# EAGLE board Mk4 Final Panel 8up 4x2 (EAGLE 9.0.1), part 5 of 23 (continued)
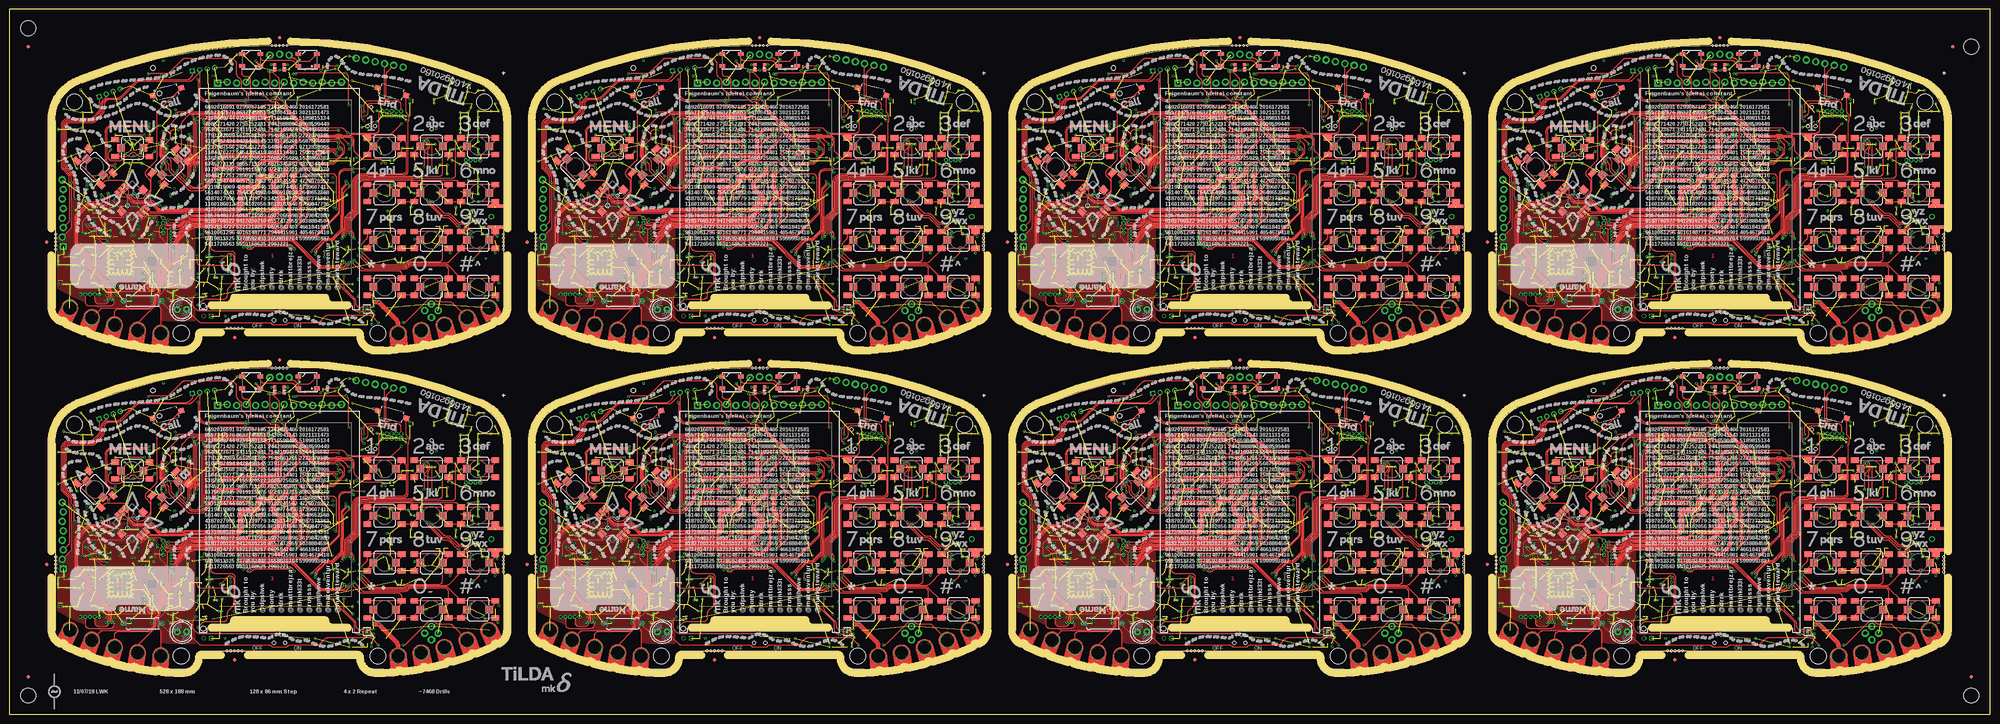
[diagram p0: board, top side]
## Nets (continued)
SDRAM_!CAS7: IC127.17 IC128.83
SDRAM_!CS: IC1.103 IC2.19
SDRAM_!CS1: IC19.19 IC20.103
SDRAM_!CS2: IC37.19 IC38.103
SDRAM_!CS3: IC55.19 IC56.103
SDRAM_!CS4: IC73.19 IC74.103
SDRAM_!CS5: IC91.19 IC92.103
SDRAM_!CS6: IC109.19 IC110.103
SDRAM_!CS7: IC127.19 IC128.103
SDRAM_!RAS: IC1.84 IC2.18
SDRAM_!RAS1: IC19.18 IC20.84
SDRAM_!RAS2: IC37.18 IC38.84
SDRAM_!RAS3: IC55.18 IC56.84
SDRAM_!RAS4: IC73.18 IC74.84
SDRAM_!RAS5: IC91.18 IC92.84
SDRAM_!RAS6: IC109.18 IC110.84
SDRAM_!RAS7: IC127.18 IC128.84
SDRAM_!WE: IC1.92 IC2.16
SDRAM_!WE1: IC19.16 IC20.92
SDRAM_!WE2: IC37.16 IC38.92
SDRAM_!WE3: IC55.16 IC56.92
SDRAM_!WE4: IC73.16 IC74.92
SDRAM_!WE5: IC91.16 IC92.92
SDRAM_!WE6: IC109.16 IC110.92
SDRAM_!WE7: IC127.16 IC128.92
SDRAM_A0: IC1.29 IC2.2 IC2.23
SDRAM_A1: IC1.30 IC2.4 IC2.24
SDRAM_A2: IC1.31 IC2.5 IC2.25
SDRAM_A3: IC1.32 IC2.7 IC2.26
SDRAM_A4: IC1.22 IC2.8 IC2.29
SDRAM_A5: IC1.23 IC2.10 IC2.30
SDRAM_A6: IC1.24 IC2.11 IC2.31
SDRAM_A7: IC1.25 IC2.13 IC2.32
SDRAM_A8: IC1.40 IC2.33 IC2.42
SDRAM_A9: IC1.41 IC2.34 IC2.44
SDRAM_A10: IC1.50 IC2.22 IC2.45
SDRAM_A11: IC1.49 IC2.35 IC2.47
SDRAM_A12: IC1.75 IC2.36 IC2.48
SDRAM_A13: IC19.2 IC19.23 IC20.29
SDRAM_A14: IC19.4 IC19.24 IC20.30
SDRAM_A15: IC19.5 IC19.25 IC20.31
SDRAM_A16: IC19.7 IC19.26 IC20.32
SDRAM_A17: IC19.8 IC19.29 IC20.22
SDRAM_A18: IC19.10 IC19.30 IC20.23
SDRAM_A19: IC19.11 IC19.31 IC20.24
SDRAM_A20: IC19.13 IC19.32 IC20.25
SDRAM_A21: IC19.33 IC19.42 IC20.40
SDRAM_A22: IC19.34 IC19.44 IC20.41
SDRAM_A23: IC19.22 IC19.45 IC20.50
SDRAM_A24: IC19.36 IC19.48 IC20.75
SDRAM_A25: IC19.35 IC19.47 IC20.49
SDRAM_A26: IC37.2 IC37.23 IC38.29
SDRAM_A27: IC37.4 IC37.24 IC38.30
SDRAM_A28: IC37.5 IC37.25 IC38.31
SDRAM_A29: IC37.7 IC37.26 IC38.32
SDRAM_A30: IC37.8 IC37.29 IC38.22
SDRAM_A31: IC37.10 IC37.30 IC38.23
SDRAM_A32: IC37.11 IC37.31 IC38.24
SDRAM_A33: IC37.13 IC37.32 IC38.25
SDRAM_A34: IC37.33 IC37.42 IC38.40
SDRAM_A35: IC37.34 IC37.44 IC38.41
SDRAM_A36: IC37.22 IC37.45 IC38.50
SDRAM_A37: IC37.36 IC37.48 IC38.75
SDRAM_A38: IC37.35 IC37.47 IC38.49
SDRAM_A39: IC55.2 IC55.23 IC56.29
SDRAM_A40: IC55.4 IC55.24 IC56.30
SDRAM_A41: IC55.5 IC55.25 IC56.31
SDRAM_A42: IC55.7 IC55.26 IC56.32
SDRAM_A43: IC55.8 IC55.29 IC56.22
SDRAM_A44: IC55.10 IC55.30 IC56.23
SDRAM_A45: IC55.11 IC55.31 IC56.24
SDRAM_A46: IC55.13 IC55.32 IC56.25
SDRAM_A47: IC55.33 IC55.42 IC56.40
SDRAM_A48: IC55.34 IC55.44 IC56.41
SDRAM_A49: IC55.22 IC55.45 IC56.50
SDRAM_A50: IC55.36 IC55.48 IC56.75
SDRAM_A51: IC55.35 IC55.47 IC56.49
SDRAM_A52: IC73.2 IC73.23 IC74.29
SDRAM_A53: IC73.4 IC73.24 IC74.30
SDRAM_A54: IC73.5 IC73.25 IC74.31
SDRAM_A55: IC73.7 IC73.26 IC74.32
SDRAM_A56: IC73.8 IC73.29 IC74.22
SDRAM_A57: IC73.10 IC73.30 IC74.23
SDRAM_A58: IC73.11 IC73.31 IC74.24
SDRAM_A59: IC73.13 IC73.32 IC74.25
SDRAM_A60: IC73.33 IC73.42 IC74.40
SDRAM_A61: IC73.34 IC73.44 IC74.41
SDRAM_A62: IC73.22 IC73.45 IC74.50
SDRAM_A63: IC73.36 IC73.48 IC74.75
SDRAM_A64: IC73.35 IC73.47 IC74.49
SDRAM_A65: IC91.2 IC91.23 IC92.29
SDRAM_A66: IC91.4 IC91.24 IC92.30
SDRAM_A67: IC91.5 IC91.25 IC92.31
SDRAM_A68: IC91.7 IC91.26 IC92.32
SDRAM_A69: IC91.8 IC91.29 IC92.22
SDRAM_A70: IC91.10 IC91.30 IC92.23
SDRAM_A71: IC91.11 IC91.31 IC92.24
SDRAM_A72: IC91.13 IC91.32 IC92.25
SDRAM_A73: IC91.33 IC91.42 IC92.40
SDRAM_A74: IC91.34 IC91.44 IC92.41
SDRAM_A75: IC91.22 IC91.45 IC92.50
SDRAM_A76: IC91.36 IC91.48 IC92.75
SDRAM_A77: IC91.35 IC91.47 IC92.49
SDRAM_A78: IC109.2 IC109.23 IC110.29
SDRAM_A79: IC109.4 IC109.24 IC110.30
SDRAM_A80: IC109.5 IC109.25 IC110.31
SDRAM_A81: IC109.7 IC109.26 IC110.32
SDRAM_A82: IC109.8 IC109.29 IC110.22
SDRAM_A83: IC109.10 IC109.30 IC110.23
SDRAM_A84: IC109.11 IC109.31 IC110.24
SDRAM_A85: IC109.13 IC109.32 IC110.25
SDRAM_A86: IC109.33 IC109.42 IC110.40
SDRAM_A87: IC109.34 IC109.44 IC110.41
SDRAM_A88: IC109.22 IC109.45 IC110.50
SDRAM_A89: IC109.36 IC109.48 IC110.75
SDRAM_A90: IC109.35 IC109.47 IC110.49
SDRAM_A91: IC127.2 IC127.23 IC128.29
SDRAM_A92: IC127.4 IC127.24 IC128.30
SDRAM_A93: IC127.5 IC127.25 IC128.31
SDRAM_A94: IC127.7 IC127.26 IC128.32
SDRAM_A95: IC127.8 IC127.29 IC128.22
SDRAM_A96: IC127.10 IC127.30 IC128.23
SDRAM_A97: IC127.11 IC127.31 IC128.24
SDRAM_A98: IC127.13 IC127.32 IC128.25
SDRAM_A99: IC127.33 IC127.42 IC128.40
SDRAM_A100: IC127.34 IC127.44 IC128.41
SDRAM_A101: IC127.22 IC127.45 IC128.50
SDRAM_A102: IC127.36 IC127.48 IC128.75
SDRAM_A103: IC127.35 IC127.47 IC128.49
SDRAM_BA0: IC1.76 IC2.20 IC2.50
SDRAM_BA1: IC1.77 IC2.21 IC2.51
SDRAM_BA2: IC19.21 IC19.51 IC20.77
SDRAM_BA3: IC19.20 IC19.50 IC20.76
SDRAM_BA4: IC37.21 IC37.51 IC38.77
SDRAM_BA5: IC37.20 IC37.50 IC38.76
SDRAM_BA6: IC55.21 IC55.51 IC56.77
SDRAM_BA7: IC55.20 IC55.50 IC56.76
SDRAM_BA8: IC73.21 IC73.51 IC74.77
SDRAM_BA9: IC73.20 IC73.50 IC74.76
SDRAM_BA10: IC91.21 IC91.51 IC92.77
SDRAM_BA11: IC91.20 IC91.50 IC92.76
SDRAM_BA12: IC109.21 IC109.51 IC110.77
SDRAM_BA13: IC109.20 IC109.50 IC110.76
SDRAM_BA14: IC127.21 IC127.51 IC128.77
SDRAM_BA15: IC127.20 IC127.50 IC128.76
SDRAM_CKE: IC1.104 IC2.37
SDRAM_CKE1: IC19.37 IC20.104
SDRAM_CKE2: IC37.37 IC38.104
SDRAM_CKE3: IC55.37 IC56.104
SDRAM_CKE4: IC73.37 IC74.104
SDRAM_CKE5: IC91.37 IC92.104
SDRAM_CKE6: IC109.37 IC110.104
SDRAM_CKE7: IC127.37 IC128.104
SDRAM_CLK: IC1.62 IC2.38
SDRAM_CLK1: IC19.38 IC20.62
SDRAM_CLK2: IC37.38 IC38.62
SDRAM_CLK3: IC55.38 IC56.62
SDRAM_CLK4: IC73.38 IC74.62
SDRAM_CLK5: IC91.38 IC92.62
SDRAM_CLK6: IC109.38 IC110.62
SDRAM_CLK7: IC127.38 IC128.62
SDRAM_D1: IC19.53 IC20.78
SDRAM_D2: IC37.53 IC38.78
SDRAM_D3: IC55.53 IC56.78
SDRAM_D4: IC73.53 IC74.78
SDRAM_D5: IC91.53 IC92.78
SDRAM_D6: IC109.53 IC110.78
SDRAM_D7: IC127.53 IC128.78
SDRAM_D15: IC1.78 IC2.53
SDRAM_DQMH: IC1.82 IC2.39
SDRAM_DQMH1: IC19.39 IC20.82
SDRAM_DQMH2: IC37.39 IC38.82
SDRAM_DQMH3: IC55.39 IC56.82
SDRAM_DQMH4: IC73.39 IC74.82
SDRAM_DQMH5: IC91.39 IC92.82
SDRAM_DQMH6: IC109.39 IC110.82
SDRAM_DQMH7: IC127.39 IC128.82
SDRAM_DQML: IC1.81 IC2.15
SDRAM_DQML1: IC19.15 IC20.81
SDRAM_DQML2: IC37.15 IC38.81
SDRAM_DQML3: IC55.15 IC56.81
SDRAM_DQML4: IC73.15 IC74.81
SDRAM_DQML5: IC91.15 IC92.81
SDRAM_DQML6: IC109.15 IC110.81
SDRAM_DQML7: IC127.15 IC128.81
SIM_CLK: IC10.2 J1.C3 R27.2
SIM_CLK1: IC25.2 J14.C3 R109.2
SIM_CLK2: IC43.2 J24.C3 R187.2
SIM_CLK3: IC61.2 J34.C3 R265.2
SIM_CLK4: IC79.2 J44.C3 R343.2
SIM_CLK5: IC97.2 J54.C3 R421.2
SIM_CLK6: IC115.2 J64.C3 R499.2
SIM_CLK7: IC133.2 J74.C3 R577.2
SIM_CLK_R: C49.2 IC5.16 R27.1
SIM_CLK_R1: C156.2 IC21.16 R109.1
SIM_CLK_R2: C264.2 IC39.16 R187.1
SIM_CLK_R3: C372.2 IC57.16 R265.1
SIM_CLK_R4: C480.2 IC75.16 R343.1
SIM_CLK_R5: C588.2 IC93.16 R421.1
SIM_CLK_R6: C696.2 IC111.16 R499.1
SIM_CLK_R7: C804.2 IC129.16 R577.1
SIM_CTS: R34.1 TP4.TP
SIM_CTS1: R117.1 TP23.TP
SIM_CTS2: R195.1 TP42.TP
SIM_CTS3: R273.1 TP61.TP
SIM_CTS4: R351.1 TP80.TP
SIM_CTS5: R429.1 TP99.TP
SIM_CTS6: R507.1 TP118.TP
SIM_CTS7: R585.1 TP137.TP
SIM_CTS_R: IC5.4 R34.2
SIM_CTS_R1: IC21.4 R117.2
SIM_CTS_R2: IC39.4 R195.2
SIM_CTS_R3: IC57.4 R273.2
SIM_CTS_R4: IC75.4 R351.2
SIM_CTS_R5: IC93.4 R429.2
SIM_CTS_R6: IC111.4 R507.2
SIM_CTS_R7: IC129.4 R585.2
SIM_D_N [90R Diff]: IC5.26 JP9.2
SIM_D_N1 [90R Diff]: IC21.26 JP14.2
SIM_D_N2 [90R Diff]: IC39.26 JP23.2
SIM_D_N3 [90R Diff]: IC57.26 JP32.2
SIM_D_N4 [90R Diff]: IC75.26 JP41.2
SIM_D_N5 [90R Diff]: IC93.26 JP50.2
SIM_D_N6 [90R Diff]: IC111.26 JP59.2
SIM_D_N7 [90R Diff]: IC129.26 JP68.2
SIM_D_P [90R Diff]: IC5.25 JP9.3
SIM_D_P1 [90R Diff]: IC21.25 JP14.3
SIM_D_P2 [90R Diff]: IC39.25 JP23.3
SIM_D_P3 [90R Diff]: IC57.25 JP32.3
SIM_D_P4 [90R Diff]: IC75.25 JP41.3
SIM_D_P5 [90R Diff]: IC93.25 JP50.3
SIM_D_P6 [90R Diff]: IC111.25 JP59.3
SIM_D_P7 [90R Diff]: IC129.25 JP68.3
SIM_DATA: IC10.1 J1.C7 R26.2
SIM_DATA1: IC25.1 J14.C7 R108.2
SIM_DATA2: IC43.1 J24.C7 R186.2
SIM_DATA3: IC61.1 J34.C7 R264.2
SIM_DATA4: IC79.1 J44.C7 R342.2
SIM_DATA5: IC97.1 J54.C7 R420.2
SIM_DATA6: IC115.1 J64.C7 R498.2
SIM_DATA7: IC133.1 J74.C7 R576.2
SIM_DATA_R: C50.2 IC5.15 R26.1
SIM_DATA_R1: C157.2 IC21.15 R108.1
SIM_DATA_R2: C265.2 IC39.15 R186.1
SIM_DATA_R3: C373.2 IC57.15 R264.1
SIM_DATA_R4: C481.2 IC75.15 R342.1
SIM_DATA_R5: C589.2 IC93.15 R420.1
SIM_DATA_R6: C697.2 IC111.15 R498.1
SIM_DATA_R7: C805.2 IC129.15 R576.1
SIM_DCD: R33.1 TP3.TP
SIM_DCD1: R116.1 TP22.TP
SIM_DCD2: R194.1 TP41.TP
SIM_DCD3: R272.1 TP60.TP
SIM_DCD4: R350.1 TP79.TP
SIM_DCD5: R428.1 TP98.TP
SIM_DCD6: R506.1 TP117.TP
SIM_DCD7: R584.1 TP136.TP
SIM_DCD_R: IC5.5 R33.2
SIM_DCD_R1: IC21.5 R116.2
SIM_DCD_R2: IC39.5 R194.2
SIM_DCD_R3: IC57.5 R272.2
SIM_DCD_R4: IC75.5 R350.2
SIM_DCD_R5: IC93.5 R428.2
SIM_DCD_R6: IC111.5 R506.2
SIM_DCD_R7: IC129.5 R584.2
SIM_DET: IC5.14 J1.C8 R29.2
SIM_DET1: IC21.14 J14.C8 R111.2
SIM_DET2: IC39.14 J24.C8 R189.2
SIM_DET3: IC57.14 J34.C8 R267.2
SIM_DET4: IC75.14 J44.C8 R345.2
SIM_DET5: IC93.14 J54.C8 R423.2
SIM_DET6: IC111.14 J64.C8 R501.2
SIM_DET7: IC129.14 J74.C8 R579.2
SIM_DTR: R31.1 TP2.TP
SIM_DTR1: R113.1 TP21.TP
SIM_DTR2: R191.1 TP40.TP
SIM_DTR3: R269.1 TP59.TP
SIM_DTR4: R347.1 TP78.TP
SIM_DTR5: R425.1 TP97.TP
SIM_DTR6: R503.1 TP116.TP
SIM_DTR7: R581.1 TP135.TP
SIM_DTR_R: IC5.6 R31.2 R40.1
SIM_DTR_R1: IC21.6 R113.2 R122.1
SIM_DTR_R2: IC39.6 R191.2 R200.1
SIM_DTR_R3: IC57.6 R269.2 R278.1
SIM_DTR_R4: IC75.6 R347.2 R356.1
SIM_DTR_R5: IC93.6 R425.2 R434.1
SIM_DTR_R6: IC111.6 R503.2 R512.1
SIM_DTR_R7: IC129.6 R581.2 R590.1
SIM_NETLIGHT: IC1.108 R42.1 TP12.TP
SIM_NETLIGHT1: IC20.108 R124.1 TP31.TP
SIM_NETLIGHT2: IC38.108 R202.1 TP50.TP
SIM_NETLIGHT3: IC56.108 R280.1 TP69.TP
SIM_NETLIGHT4: IC74.108 R358.1 TP88.TP
SIM_NETLIGHT5: IC92.108 R436.1 TP107.TP
SIM_NETLIGHT6: IC110.108 R514.1 TP126.TP
SIM_NETLIGHT7: IC128.108 R592.1 TP145.TP
SIM_PWR_KEY: IC1.109 Q1.1 R30.1 TP13.TP
SIM_PWR_KEY1: IC20.109 Q6.1 R112.1 TP32.TP
SIM_PWR_KEY2: IC38.109 Q11.1 R190.1 TP51.TP
SIM_PWR_KEY3: IC56.109 Q15.1 R268.1 TP70.TP
SIM_PWR_KEY4: IC74.109 Q19.1 R346.1 TP89.TP
SIM_PWR_KEY5: IC92.109 Q23.1 R424.1 TP108.TP
SIM_PWR_KEY6: IC110.109 Q27.1 R502.1 TP127.TP
SIM_PWR_KEY7: IC128.109 Q31.1 R580.1 TP146.TP
SIM_RI: IC1.112 R32.1 TP10.TP
SIM_RI1: IC20.112 R115.1 TP29.TP
SIM_RI2: IC38.112 R193.1 TP48.TP
SIM_RI3: IC56.112 R271.1 TP67.TP
SIM_RI4: IC74.112 R349.1 TP86.TP
SIM_RI5: IC92.112 R427.1 TP105.TP
SIM_RI6: IC110.112 R505.1 TP124.TP
SIM_RI7: IC128.112 R583.1 TP143.TP
SIM_RI_R: IC5.7 R32.2
SIM_RI_R1: IC21.7 R115.2
SIM_RI_R2: IC39.7 R193.2
SIM_RI_R3: IC57.7 R271.2
SIM_RI_R4: IC75.7 R349.2
SIM_RI_R5: IC93.7 R427.2
SIM_RI_R6: IC111.7 R505.2
SIM_RI_R7: IC129.7 R583.2
SIM_RST: IC10.4 J1.C2 R28.2
SIM_RST1: IC25.4 J14.C2 R110.2
SIM_RST2: IC43.4 J24.C2 R188.2
SIM_RST3: IC61.4 J34.C2 R266.2
SIM_RST4: IC79.4 J44.C2 R344.2
SIM_RST5: IC97.4 J54.C2 R422.2
SIM_RST6: IC115.4 J64.C2 R500.2
SIM_RST7: IC133.4 J74.C2 R578.2
SIM_RST_R: C48.2 IC5.17 R28.1
SIM_RST_R1: C155.2 IC21.17 R110.1
SIM_RST_R2: C263.2 IC39.17 R188.1
SIM_RST_R3: C371.2 IC57.17 R266.1
SIM_RST_R4: C479.2 IC75.17 R344.1
SIM_RST_R5: C587.2 IC93.17 R422.1
SIM_RST_R6: C695.2 IC111.17 R500.1
SIM_RST_R7: C803.2 IC129.17 R578.1
SIM_RTS: R35.1 TP5.TP
SIM_RTS1: R118.1 TP24.TP
SIM_RTS2: R196.1 TP43.TP
SIM_RTS3: R274.1 TP62.TP
SIM_RTS4: R352.1 TP81.TP
SIM_RTS5: R430.1 TP100.TP
SIM_RTS6: R508.1 TP119.TP
SIM_RTS7: R586.1 TP138.TP
SIM_RTS_R: IC5.3 R35.2 R39.1
SIM_RTS_R1: IC21.3 R118.2 R121.1
SIM_RTS_R2: IC39.3 R196.2 R199.1
SIM_RTS_R3: IC57.3 R274.2 R277.1
SIM_RTS_R4: IC75.3 R352.2 R355.1
SIM_RTS_R5: IC93.3 R430.2 R433.1
SIM_RTS_R6: IC111.3 R508.2 R511.1
SIM_RTS_R7: IC129.3 R586.2 R589.1
SIM_RXD_R: IC5.2 R37.2 R38.1
SIM_RXD_R1: IC21.2 R114.1 R120.2
SIM_RXD_R2: IC39.2 R192.1 R198.2
SIM_RXD_R3: IC57.2 R270.1 R276.2
SIM_RXD_R4: IC75.2 R348.1 R354.2
SIM_RXD_R5: IC93.2 R426.1 R432.2
SIM_RXD_R6: IC111.2 R504.1 R510.2
SIM_RXD_R7: IC129.2 R582.1 R588.2
SIM_STATUS: IC1.107 R41.1 TP11.TP
SIM_STATUS1: IC20.107 R123.1 TP30.TP
SIM_STATUS2: IC38.107 R201.1 TP49.TP
SIM_STATUS3: IC56.107 R279.1 TP68.TP
SIM_STATUS4: IC74.107 R357.1 TP87.TP
SIM_STATUS5: IC92.107 R435.1 TP106.TP
SIM_STATUS6: IC110.107 R513.1 TP125.TP
SIM_STATUS7: IC128.107 R591.1 TP144.TP
SIM_STATUS_R: IC5.42 R41.2
SIM_STATUS_R1: IC21.42 R123.2
SIM_STATUS_R2: IC39.42 R201.2
SIM_STATUS_R3: IC57.42 R279.2
SIM_STATUS_R4: IC75.42 R357.2
SIM_STATUS_R5: IC93.42 R435.2
SIM_STATUS_R6: IC111.42 R513.2
SIM_STATUS_R7: IC129.42 R591.2
SIM_TXD_R: IC5.1 R36.2
SIM_TXD_R1: IC21.1 R119.2
SIM_TXD_R2: IC39.1 R197.2
SIM_TXD_R3: IC57.1 R275.2
SIM_TXD_R4: IC75.1 R353.2
SIM_TXD_R5: IC93.1 R431.2
SIM_TXD_R6: IC111.1 R509.2
SIM_TXD_R7: IC129.1 R587.2
SIM_VBUS: IC5.24 JP9.4
SIM_VBUS1: IC21.24 JP14.4
SIM_VBUS2: IC39.24 JP23.4
SIM_VBUS3: IC57.24 JP32.4
SIM_VBUS4: IC75.24 JP41.4
SIM_VBUS5: IC93.24 JP50.4
SIM_VBUS6: IC111.24 JP59.4
SIM_VBUS7: IC129.24 JP68.4
SIM_VDD: C51.2 IC5.18 IC10.5 J1.C1
SIM_VDD1: C158.2 IC21.18 IC25.5 J14.C1
SIM_VDD2: C266.2 IC39.18 IC43.5 J24.C1
SIM_VDD3: C374.2 IC57.18 IC61.5 J34.C1
SIM_VDD4: C482.2 IC75.18 IC79.5 J44.C1
SIM_VDD5: C590.2 IC93.18 IC97.5 J54.C1
SIM_VDD6: C698.2 IC111.18 IC115.5 J64.C1
SIM_VDD7: C806.2 IC129.18 IC133.5 J74.C1
SOP0: IC15.35 R64.1
SOP1: IC15.34 R63.1
SOP2: IC15.21 R62.1
SOP3: IC29.21 R140.1
SOP4: IC29.34 R141.1
SOP5: IC29.35 R142.1
SOP6: IC47.21 R218.1
SOP7: IC47.34 R219.1
SOP8: IC47.35 R220.1
SOP9: IC65.21 R296.1
SOP10: IC65.34 R297.1
SOP11: IC65.35 R298.1
SOP12: IC83.21 R374.1
SOP13: IC83.34 R375.1
SOP14: IC83.35 R376.1
SOP15: IC101.21 R452.1
SOP16: IC101.34 R453.1
SOP17: IC101.35 R454.1
SOP18: IC119.21 R530.1
SOP19: IC119.34 R531.1
SOP20: IC119.35 R532.1
SOP21: IC137.21 R608.1
SOP22: IC137.34 R609.1
SOP23: IC137.35 R610.1
SPK_AMP_N [Audio]: IC13.8 U5.-
SPK_AMP_N1 [Audio]: IC28.8 U6.-
SPK_AMP_N2 [Audio]: IC46.8 U9.-
SPK_AMP_N3 [Audio]: IC64.8 U12.-
SPK_AMP_N4 [Audio]: IC82.8 U15.-
SPK_AMP_N5 [Audio]: IC100.8 U18.-
SPK_AMP_N6 [Audio]: IC118.8 U21.-
SPK_AMP_N7 [Audio]: IC136.8 U24.-
SPK_AMP_P [Audio]: IC13.5 U5.+
SPK_AMP_P1 [Audio]: IC28.5 U6.+
SPK_AMP_P2 [Audio]: IC46.5 U9.+
SPK_AMP_P3 [Audio]: IC64.5 U12.+
SPK_AMP_P4 [Audio]: IC82.5 U15.+
SPK_AMP_P5 [Audio]: IC100.5 U18.+
SPK_AMP_P6 [Audio]: IC118.5 U21.+
SPK_AMP_P7 [Audio]: IC136.5 U24.+
SPK_N [Audio]: C64.2 C65.1 C67.1 C68.2 C82.2 IC5.12 R43.1
SPK_N1 [Audio]: C165.2 C166.1 C168.1 C169.2 C183.2 IC21.12 R125.1
SPK_N2 [Audio]: C273.2 C274.1 C276.1 C277.2 C291.2 IC39.12 R203.1
SPK_N3 [Audio]: C381.2 C382.1 C384.1 C385.2 C399.2 IC57.12 R281.1
SPK_N4 [Audio]: C489.2 C490.1 C492.1 C493.2 C507.2 IC75.12 R359.1
SPK_N5 [Audio]: C597.2 C598.1 C600.1 C601.2 C615.2 IC93.12 R437.1
SPK_N6 [Audio]: C705.2 C706.1 C708.1 C709.2 C723.2 IC111.12 R515.1
SPK_N7 [Audio]: C813.2 C814.1 C816.1 C817.2 C831.2 IC129.12 R593.1
SPK_P [Audio]: C64.1 C66.1 C68.1 C69.1 C83.2 IC5.11 R45.1
SPK_P1 [Audio]: C165.1 C167.1 C169.1 C170.1 C184.2 IC21.11 R126.1
SPK_P2 [Audio]: C273.1 C275.1 C277.1 C278.1 C292.2 IC39.11 R204.1
SPK_P3 [Audio]: C381.1 C383.1 C385.1 C386.1 C400.2 IC57.11 R282.1
SPK_P4 [Audio]: C489.1 C491.1 C493.1 C494.1 C508.2 IC75.11 R360.1
SPK_P5 [Audio]: C597.1 C599.1 C601.1 C602.1 C616.2 IC93.11 R438.1
SPK_P6 [Audio]: C705.1 C707.1 C709.1 C710.1 C724.2 IC111.11 R516.1
SPK_P7 [Audio]: C813.1 C815.1 C817.1 C818.1 C832.2 IC129.11 R594.1
SPK_R_N: IC11.5 R45.2 R46.1
SPK_R_N1: IC26.5 R126.2 R127.1
SPK_R_N2: IC44.5 R204.2 R205.1
SPK_R_N3: IC62.5 R282.2 R283.1
SPK_R_N4: IC80.5 R360.2 R361.1
SPK_R_N5: IC98.5 R438.2 R439.1
SPK_R_N6: IC116.5 R516.2 R517.1
SPK_R_N7: IC134.5 R594.2 R595.1
SPK_R_P: IC11.6 R43.2 R50.1 R51.1
SPK_R_P1: IC26.6 R125.2 R128.1 R129.1
SPK_R_P2: IC44.6 R203.2 R206.1 R207.1
SPK_R_P3: IC62.6 R281.2 R284.1 R285.1
SPK_R_P4: IC80.6 R359.2 R362.1 R363.1
SPK_R_P5: IC98.6 R437.2 R440.1 R441.1
SPK_R_P6: IC116.6 R515.2 R518.1 R519.1
SPK_R_P7: IC134.6 R593.2 R596.1 R597.1
SSI0_LCD_CLK: IC1.35 J2.37
SSI0_LCD_CLK1: IC20.35 J6.37
SSI0_LCD_CLK2: IC38.35 J21.37
SSI0_LCD_CLK3: IC56.35 J31.37
SSI0_LCD_CLK4: IC74.35 J41.37
SSI0_LCD_CLK5: IC92.35 J51.37
SSI0_LCD_CLK6: IC110.35 J61.37
SSI0_LCD_CLK7: IC128.35 J71.37
SSI0_LCD_CS: IC1.36 J2.38
SSI0_LCD_CS1: IC20.36 J6.38
SSI0_LCD_CS2: IC38.36 J21.38
SSI0_LCD_CS3: IC56.36 J31.38
SSI0_LCD_CS4: IC74.36 J41.38
SSI0_LCD_CS5: IC92.36 J51.38
SSI0_LCD_CS6: IC110.36 J61.38
SSI0_LCD_CS7: IC128.36 J71.38
SSI0_LCD_MISO: IC1.38 J2.33
SSI0_LCD_MISO1: IC20.38 J6.33
SSI0_LCD_MISO2: IC38.38 J21.33
SSI0_LCD_MISO3: IC56.38 J31.33
SSI0_LCD_MISO4: IC74.38 J41.33
SSI0_LCD_MISO5: IC92.38 J51.33
SSI0_LCD_MISO6: IC110.38 J61.33
SSI0_LCD_MISO7: IC128.38 J71.33
SSI0_LCD_MOSI: IC1.37 J2.34
SSI0_LCD_MOSI1: IC20.37 J6.34
SSI0_LCD_MOSI2: IC38.37 J21.34
SSI0_LCD_MOSI3: IC56.37 J31.34
SSI0_LCD_MOSI4: IC74.37 J41.34
SSI0_LCD_MOSI5: IC92.37 J51.34
SSI0_LCD_MOSI6: IC110.37 J61.34
SSI0_LCD_MOSI7: IC128.37 J71.34
SSI2_CC_!CS: IC1.3 IC15.8
SSI2_CC_!CS1: IC20.3 IC29.8
SSI2_CC_!CS2: IC38.3 IC47.8
SSI2_CC_!CS3: IC56.3 IC65.8
SSI2_CC_!CS4: IC74.3 IC83.8
SSI2_CC_!CS5: IC92.3 IC101.8
SSI2_CC_!CS6: IC110.3 IC119.8
SSI2_CC_!CS7: IC128.3 IC137.8
SSI2_CC_CLK: IC1.4 IC15.5
SSI2_CC_CLK1: IC20.4 IC29.5
SSI2_CC_CLK2: IC38.4 IC47.5
SSI2_CC_CLK3: IC56.4 IC65.5
SSI2_CC_CLK4: IC74.4 IC83.5
SSI2_CC_CLK5: IC92.4 IC101.5
SSI2_CC_CLK6: IC110.4 IC119.5
SSI2_CC_CLK7: IC128.4 IC137.5
SSI2_CC_MISO: IC1.1 IC15.7 R71.1
SSI2_CC_MISO1: IC20.1 IC29.7 R149.1
SSI2_CC_MISO2: IC38.1 IC47.7 R227.1
SSI2_CC_MISO3: IC56.1 IC65.7 R305.1
SSI2_CC_MISO4: IC74.1 IC83.7 R383.1
SSI2_CC_MISO5: IC92.1 IC101.7 R461.1
SSI2_CC_MISO6: IC110.1 IC119.7 R539.1
SSI2_CC_MISO7: IC128.1 IC137.7 R617.1
SSI2_CC_MOSI: IC1.2 IC15.6
SSI2_CC_MOSI1: IC20.2 IC29.6
SSI2_CC_MOSI2: IC38.2 IC47.6
SSI2_CC_MOSI3: IC56.2 IC65.6
SSI2_CC_MOSI4: IC74.2 IC83.6
SSI2_CC_MOSI5: IC92.2 IC101.6
SSI2_CC_MOSI6: IC110.2 IC119.6
SSI2_CC_MOSI7: IC128.2 IC137.6
SSI3_CLK: IC1.5 IC6.6
SSI3_CLK1: IC20.5 IC22.6
SSI3_CLK2: IC38.5 IC40.6
SSI3_CLK3: IC56.5 IC58.6
SSI3_CLK4: IC74.5 IC76.6
SSI3_CLK5: IC92.5 IC94.6
SSI3_CLK6: IC110.5 IC112.6
SSI3_CLK7: IC128.5 IC130.6
SSI3_DAT0: IC1.11 IC6.5
SSI3_DAT1: IC1.27 IC6.2
SSI3_DAT2: IC20.27 IC22.2
SSI3_DAT3: IC20.11 IC22.5
SSI3_DAT4: IC38.27 IC40.2
SSI3_DAT5: IC38.11 IC40.5
SSI3_DAT6: IC56.27 IC58.2
SSI3_DAT7: IC56.11 IC58.5
SSI3_DAT8: IC74.27 IC76.2
SSI3_DAT9: IC74.11 IC76.5
SSI3_DAT10: IC92.27 IC94.2
SSI3_DAT11: IC92.11 IC94.5
SSI3_DAT12: IC110.27 IC112.2
SSI3_DAT13: IC110.11 IC112.5
SSI3_DAT14: IC128.27 IC130.2
SSI3_DAT15: IC128.11 IC130.5
SSI3_FSS: IC1.6 IC6.1
SSI3_FSS1: IC20.6 IC22.1
SSI3_FSS2: IC38.6 IC40.1
SSI3_FSS3: IC56.6 IC58.1
SSI3_FSS4: IC74.6 IC76.1
SSI3_FSS5: IC92.6 IC94.1
SSI3_FSS6: IC110.6 IC112.1
SSI3_FSS7: IC128.6 IC130.1
SW: IC9.6 L4.1
SW1: IC33.6 L11.1
SW2: IC51.6 L20.1
SW3: IC69.6 L29.1
SW4: IC87.6 L38.1
SW5: IC105.6 L47.1
SW6: IC123.6 L56.1
SW7: IC141.6 L65.1
SWCLK: IC1.100 J3.4 JP4.4
SWCLK1: IC20.100 J13.4 JP10.4
SWCLK2: IC38.100 J23.4 JP19.4
SWCLK3: IC56.100 J33.4 JP28.4
SWCLK4: IC74.100 J43.4 JP37.4
SWCLK5: IC92.100 J53.4 JP46.4
SWCLK6: IC110.100 J63.4 JP55.4
SWCLK7: IC128.100 J73.4 JP64.4
SWDIO: IC1.99 J3.2 JP4.2
SWDIO1: IC20.99 J13.2 JP10.2
SWDIO2: IC38.99 J23.2 JP19.2
SWDIO3: IC56.99 J33.2 JP28.2
SWDIO4: IC74.99 J43.2 JP37.2
SWDIO5: IC92.99 J53.2 JP46.2
SWDIO6: IC110.99 J63.2 JP55.2
SWDIO7: IC128.99 J73.2 JP64.2
SWO: IC1.97 J3.6 JP4.6
SWO1: IC20.97 J13.6 JP10.6
SWO2: IC38.97 J23.6 JP19.6
SWO3: IC56.97 J33.6 JP28.6
SWO4: IC74.97 J43.6 JP37.6
SWO5: IC92.97 J53.6 JP46.6
SWO6: IC110.97 J63.6 JP55.6
SWO7: IC128.97 J73.6 JP64.6
T3CCPO_WS1: IC20.125 LED7.4
T3CCPO_WS2: IC38.125 LED13.4
T3CCPO_WS3: IC56.125 LED19.4
T3CCPO_WS4: IC74.125 LED25.4
T3CCPO_WS5: IC92.125 LED31.4
T3CCPO_WS6: IC110.125 LED37.4
T3CCPO_WS7: IC128.125 LED43.4
T3CCPO_WS2812: IC1.125 LED1.4
T4CCP0: IC1.127 JP6.4 PCB.CH2
T4CCP1: IC1.128 JP6.5 PCB.CH1
T4CCP2: IC20.127 JP17.4 PCB1.CH2
T4CCP3: IC20.128 JP17.5 PCB1.CH1
T4CCP4: IC38.127 JP26.4 PCB2.CH2
T4CCP5: IC38.128 JP26.5 PCB2.CH1
T4CCP6: IC56.127 JP35.4 PCB3.CH2
T4CCP7: IC56.128 JP35.5 PCB3.CH1
T4CCP8: IC74.127 JP44.4 PCB4.CH2
T4CCP9: IC74.128 JP44.5 PCB4.CH1
T4CCP10: IC92.127 JP53.4 PCB5.CH2
T4CCP11: IC92.128 JP53.5 PCB5.CH1
T4CCP12: IC110.127 JP62.4 PCB6.CH2
T4CCP13: IC110.128 JP62.5 PCB6.CH1
T4CCP14: IC128.127 JP71.4 PCB7.CH2
T4CCP15: IC128.128 JP71.5 PCB7.CH1
TCA_!INT: IC1.15 IC4.22 R76.1
TCA_!INT1: IC20.15 IC31.22 R152.1
TCA_!INT2: IC38.15 IC49.22 R230.1
TCA_!INT3: IC56.15 IC67.22 R308.1
TCA_!INT4: IC74.15 IC85.22 R386.1
TCA_!INT5: IC92.15 IC103.22 R464.1
TCA_!INT6: IC110.15 IC121.22 R542.1
TCA_!INT7: IC128.15 IC139.22 R620.1
TPS_FB: C103.2 IC9.2 R60.2 R61.1
TPS_FB1: C211.2 IC33.2 R138.2 R139.1
TPS_FB2: C319.2 IC51.2 R216.2 R217.1
TPS_FB3: C427.2 IC69.2 R294.2 R295.1
TPS_FB4: C535.2 IC87.2 R372.2 R373.1
TPS_FB5: C643.2 IC105.2 R450.2 R451.1
TPS_FB6: C751.2 IC123.2 R528.2 R529.1
TPS_FB7: C859.2 IC141.2 R606.2 R607.1
UART0_CON_RX: IC1.33 JP8.4
UART0_CON_RX1: IC20.33 JP18.4
UART0_CON_RX2: IC38.33 JP27.4
UART0_CON_RX3: IC56.33 JP36.4
UART0_CON_RX4: IC74.33 JP45.4
UART0_CON_RX5: IC92.33 JP54.4
UART0_CON_RX6: IC110.33 JP63.4
UART0_CON_RX7: IC128.33 JP72.4
UART0_CON_TX: IC1.34 JP8.5
UART0_CON_TX1: IC20.34 JP18.5
UART0_CON_TX2: IC38.34 JP27.5
UART0_CON_TX3: IC56.34 JP36.5
UART0_CON_TX4: IC74.34 JP45.5
UART0_CON_TX5: IC92.34 JP54.5
UART0_CON_TX6: IC110.34 JP63.5
UART0_CON_TX7: IC128.34 JP72.5
UART1_SIM_RX: IC1.118 R36.1 TP9.TP
UART1_SIM_RX1: IC20.118 R119.1 TP28.TP
UART1_SIM_RX2: IC38.118 R197.1 TP47.TP
UART1_SIM_RX3: IC56.118 R275.1 TP66.TP
UART1_SIM_RX4: IC74.118 R353.1 TP85.TP
UART1_SIM_RX5: IC92.118 R431.1 TP104.TP
UART1_SIM_RX6: IC110.118 R509.1 TP123.TP
UART1_SIM_RX7: IC128.118 R587.1 TP142.TP
UART1_SIM_TX: IC1.119 R37.1 TP8.TP
UART1_SIM_TX1: IC20.119 R120.1 TP27.TP
UART1_SIM_TX2: IC38.119 R198.1 TP46.TP
UART1_SIM_TX3: IC56.119 R276.1 TP65.TP
UART1_SIM_TX4: IC74.119 R354.1 TP84.TP
UART1_SIM_TX5: IC92.119 R432.1 TP103.TP
UART1_SIM_TX6: IC110.119 R510.1 TP122.TP
UART1_SIM_TX7: IC128.119 R588.1 TP141.TP
UART3_CC_RX: IC1.116 IC15.55 JP5.3 R68.1
UART3_CC_RX1: IC20.116 IC29.55 JP16.3 R146.1
UART3_CC_RX2: IC38.116 IC47.55 JP25.3 R224.1
UART3_CC_RX3: IC56.116 IC65.55 JP34.3 R302.1
UART3_CC_RX4: IC74.116 IC83.55 JP43.3 R380.1
UART3_CC_RX5: IC92.116 IC101.55 JP52.3 R458.1
UART3_CC_RX6: IC110.116 IC119.55 JP61.3 R536.1
UART3_CC_RX7: IC128.116 IC137.55 JP70.3 R614.1
UART3_CC_TX: IC1.117 IC15.57 JP5.2 R69.1
UART3_CC_TX1: IC20.117 IC29.57 JP16.2 R147.1
UART3_CC_TX2: IC38.117 IC47.57 JP25.2 R225.1
UART3_CC_TX3: IC56.117 IC65.57 JP34.2 R303.1
UART3_CC_TX4: IC74.117 IC83.57 JP43.2 R381.1
UART3_CC_TX5: IC92.117 IC101.57 JP52.2 R459.1
UART3_CC_TX6: IC110.117 IC119.57 JP61.2 R537.1
UART3_CC_TX7: IC128.117 IC137.57 JP70.2 R615.1
UART4_EXT_RX: IC1.18 J10.1 J10.5 JP6.3 PCB.CH3
UART4_EXT_RX1: IC20.18 J16.1 J16.5 JP17.3 PCB1.CH3
UART4_EXT_RX2: IC38.18 J26.1 J26.5 JP26.3 PCB2.CH3
UART4_EXT_RX3: IC56.18 J36.1 J36.5 JP35.3 PCB3.CH3
UART4_EXT_RX4: IC74.18 J46.1 J46.5 JP44.3 PCB4.CH3
UART4_EXT_RX5: IC92.18 J56.1 J56.5 JP53.3 PCB5.CH3
UART4_EXT_RX6: IC110.18 J66.1 J66.5 JP62.3 PCB6.CH3
UART4_EXT_RX7: IC128.18 J76.1 J76.5 JP71.3 PCB7.CH3
UART4_EXT_TX: IC1.19 J10.2 J10.6 JP6.2 PCB.CH4
UART4_EXT_TX1: IC20.19 J16.2 J16.6 JP17.2 PCB1.CH4
UART4_EXT_TX2: IC38.19 J26.2 J26.6 JP26.2 PCB2.CH4
UART4_EXT_TX3: IC56.19 J36.2 J36.6 JP35.2 PCB3.CH4
UART4_EXT_TX4: IC74.19 J46.2 J46.6 JP44.2 PCB4.CH4
UART4_EXT_TX5: IC92.19 J56.2 J56.6 JP53.2 PCB5.CH4
UART4_EXT_TX6: IC110.19 J66.2 J66.6 JP62.2 PCB6.CH4
UART4_EXT_TX7: IC128.19 J76.2 J76.6 JP71.2 PCB7.CH4
USB_D_N [90R Diff]: IC1.93 IC7.1 U1.D-
USB_D_N1 [90R Diff]: IC20.93 IC23.1 U2.D-
USB_D_N2 [90R Diff]: IC38.93 IC41.1 U7.D-
USB_D_N3 [90R Diff]: IC56.93 IC59.1 U10.D-
USB_D_N4 [90R Diff]: IC74.93 IC77.1 U13.D-
USB_D_N5 [90R Diff]: IC92.93 IC95.1 U16.D-
USB_D_N6 [90R Diff]: IC110.93 IC113.1 U19.D-
USB_D_N7 [90R Diff]: IC128.93 IC131.1 U22.D-
USB_D_P [90R Diff]: IC1.94 IC7.2 U1.D+
USB_D_P1 [90R Diff]: IC20.94 IC23.2 U2.D+
USB_D_P2 [90R Diff]: IC38.94 IC41.2 U7.D+
USB_D_P3 [90R Diff]: IC56.94 IC59.2 U10.D+
USB_D_P4 [90R Diff]: IC74.94 IC77.2 U13.D+
USB_D_P5 [90R Diff]: IC92.94 IC95.2 U16.D+
USB_D_P6 [90R Diff]: IC110.94 IC113.2 U19.D+
USB_D_P7 [90R Diff]: IC128.94 IC131.2 U22.D+
USB_ID: R8.2 TP6.TP
USB_ID1: R92.2 TP25.TP
USB_ID2: R170.2 TP44.TP
USB_ID3: R248.2 TP63.TP
USB_ID4: R326.2 TP82.TP
USB_ID5: R404.2 TP101.TP
USB_ID6: R482.2 TP120.TP
USB_ID7: R560.2 TP139.TP
USB_ID_R: IC7.4 R8.1 U1.ID
USB_ID_R1: IC23.4 R92.1 U2.ID
USB_ID_R2: IC41.4 R170.1 U7.ID
USB_ID_R3: IC59.4 R248.1 U10.ID
USB_ID_R4: IC77.4 R326.1 U13.ID
USB_ID_R5: IC95.4 R404.1 U16.ID
USB_ID_R6: IC113.4 R482.1 U19.ID
USB_ID_R7: IC131.4 R560.1 U22.ID
USB_SHIELD: C20.2 R7.1 U1.SHIELD U1.SHIELD@0 U1.SHIELD@1 U1.SHIELD@2 U1.SHIELD@3 U1.SHIELD@5
USB_SHIELD1: C130.2 R91.1 U2.SHIELD U2.SHIELD@0 U2.SHIELD@1 U2.SHIELD@2 U2.SHIELD@3 U2.SHIELD@5
USB_SHIELD2: C238.2 R169.1 U7.SHIELD U7.SHIELD@0 U7.SHIELD@1 U7.SHIELD@2 U7.SHIELD@3 U7.SHIELD@5
USB_SHIELD3: C346.2 R247.1 U10.SHIELD U10.SHIELD@0 U10.SHIELD@1 U10.SHIELD@2 U10.SHIELD@3 U10.SHIELD@5
USB_SHIELD4: C454.2 R325.1 U13.SHIELD U13.SHIELD@0 U13.SHIELD@1 U13.SHIELD@2 U13.SHIELD@3 U13.SHIELD@5
USB_SHIELD5: C562.2 R403.1 U16.SHIELD U16.SHIELD@0 U16.SHIELD@1 U16.SHIELD@2 U16.SHIELD@3 U16.SHIELD@5
USB_SHIELD6: C670.2 R481.1 U19.SHIELD U19.SHIELD@0 U19.SHIELD@1 U19.SHIELD@2 U19.SHIELD@3 U19.SHIELD@5